# Altium PCB AD-FMComms3_revA.PcbDoc (part 5 of 6)
Units mil, origin at the board's own origin, x right, y up, seen from the top; angles counter-clockwise.
Board outline 3311.81 x 2716.54 mil, 10 copper layers (TOP, L2_GND, L3_PWR, L4_GND, L5_SIG, L6_SIG, L7_GND, L8_PWR, L9_GND, BOTTOM), stack 60.05 mil thick; 211 components, 138 nets, 808 pads, 812 vias.
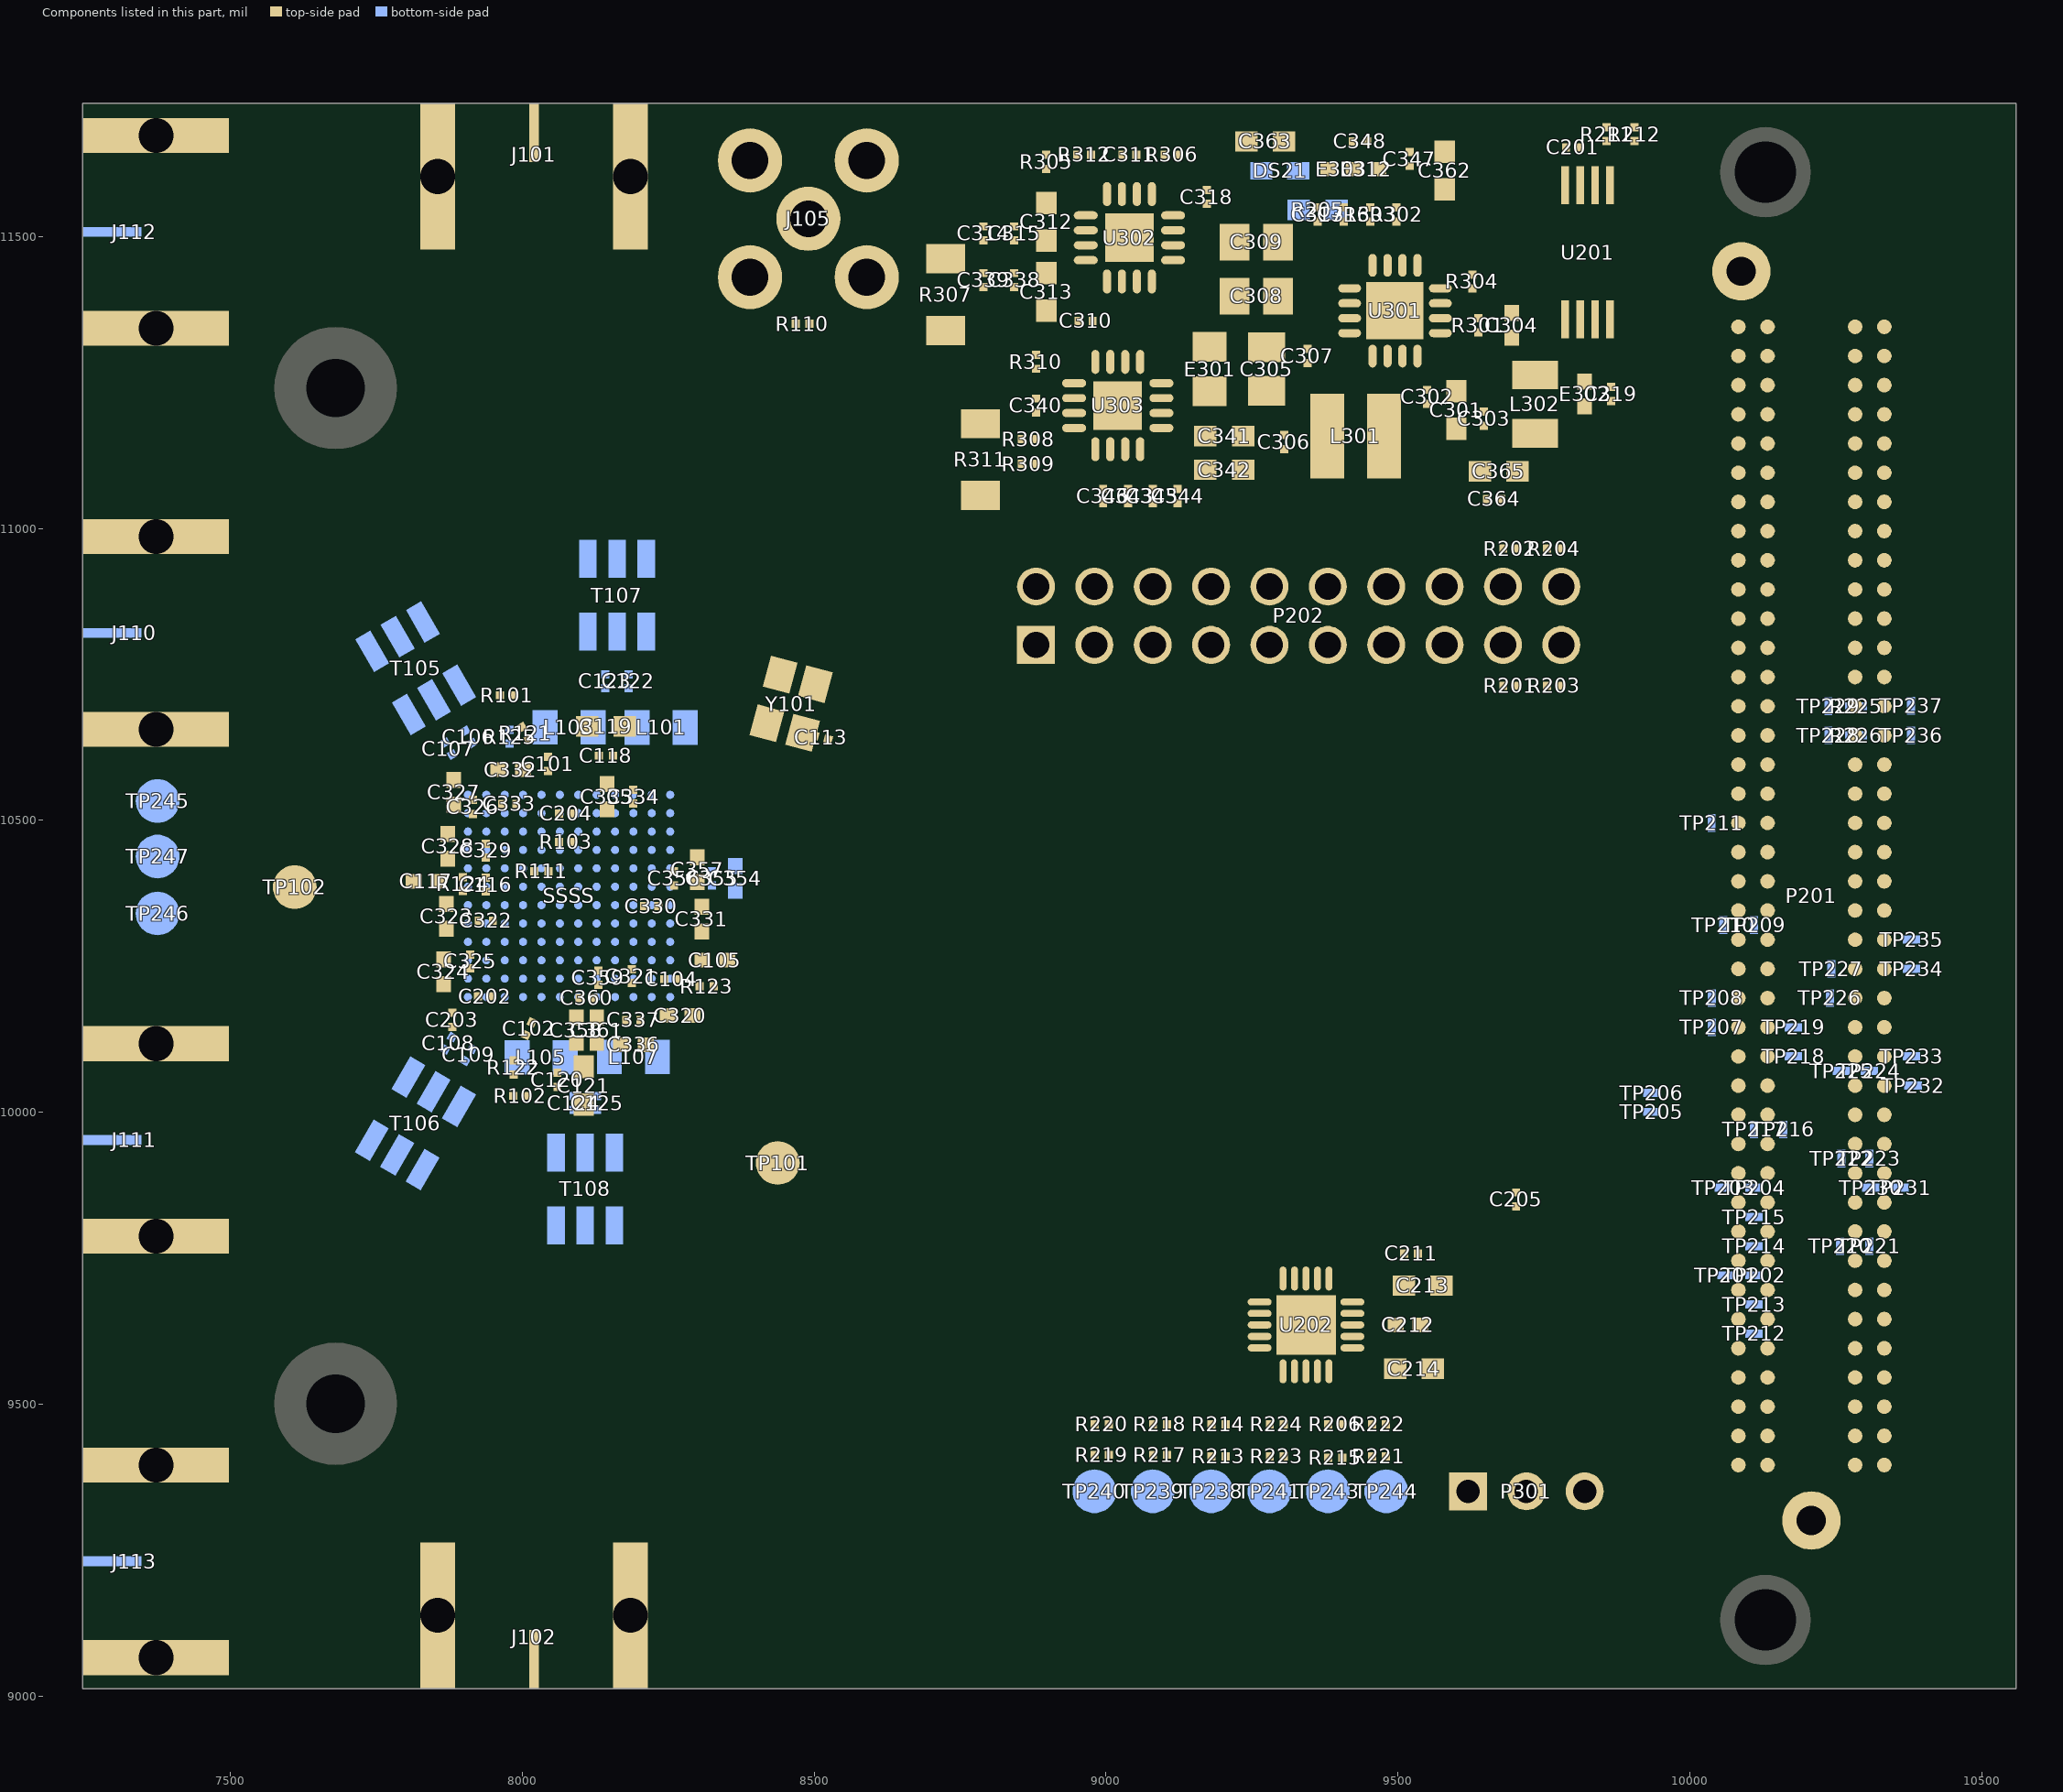
[diagram p13: the components of this part, seen from the top]

## Other copper (continued)
L6_SIG:
  pour cut-out: 9917.54,11161.72 9903.06,11161.72 9880.96,11183.81 9880.72,11184.07 9880.51,11184.34 9880.32,11184.64 9880.16,11184.95 9880.03,11185.27 9879.92,11185.6 9879.85,11185.94 9879.8,11186.29 9879.79,11186.64 9879.8,11186.99 9879.85,11187.33 9879.92,11187.67 9880.02,11188 9880.16,11188.33 9880.32,11188.64 9880.51,11188.93 9880.72,11189.21 9880.95,11189.47 9881.21,11189.7 9881.49,11189.91 9881.78,11190.1 9882.09,11190.26 9882.41,11190.4 9882.75,11190.5 9883.09,11190.58 9883.43,11190.62 9883.78,11190.64 9884.13,11190.63 9884.19,11190.62 9886.63,11190.48 9889.07,11190.56 9891.5,11190.84 9893.89,11191.34 9896.24,11192.05 9898.51,11192.95 9900.69,11194.05 9902.77,11195.34 9904.73,11196.8 9906.55,11198.43 9908.22,11200.21 9909.74,11202.13 9910.22,11202.82 9910.43,11203.1 9910.66,11203.36 9910.91,11203.6 9911.19,11203.82 9911.48,11204.01 9911.78,11204.18 9912.1,11204.32 9912.43,11204.43 9912.77,11204.51 9913.12,11204.56 9913.47,11204.58 9913.82,11204.58 9914.16,11204.54 9914.51,11204.47 9914.84,11204.37 9915.17,11204.24 9915.48,11204.08 9915.78,11203.9 9916.06,11203.69 9916.32,11203.46 9916.56,11203.21 9916.78,11202.94 9916.97,11202.64 9917.13,11202.34 9917.27,11202.02 9917.38,11201.69 9917.47,11201.35 9917.52,11201 9917.54,11200.65 9917.54,11200.59 9917.54,11161.72
  pour cut-out: 10158.63,11440.5 10157.28,11454.23 10153.27,11467.43 10146.77,11479.59 10138.02,11490.25 10127.36,11499 10115.2,11505.5 10102,11509.51 10088.27,11510.86 10074.54,11509.51 10061.34,11505.5 10053.24,11501.17 10049.18,11499 10038.52,11490.25 10029.77,11479.59 10023.27,11467.43 10019.26,11454.23 10017.91,11440.5 10019.26,11426.77 10023.27,11413.57 10029.77,11401.41 10038.52,11390.75 10049.18,11382 10053.24,11379.83 10061.34,11375.5 10074.54,11371.49 10088.27,11370.14 10102,11371.49 10115.2,11375.5 10127.36,11382 10138.02,11390.75 10146.77,11401.41 10153.27,11413.57 10157.28,11426.77 10158.63,11440.5
  pour cut-out: 9872.97,9350.5 9871.17,9364.21 9865.88,9376.99 9857.46,9387.96 9846.49,9396.38 9833.71,9401.67 9820,9403.47 9806.29,9401.67 9793.51,9396.38 9782.54,9387.96 9774.12,9376.99 9768.83,9364.21 9767.03,9350.5 9768.83,9336.79 9774.12,9324.01 9782.54,9313.04 9793.51,9304.62 9806.29,9299.33 9820,9297.53 9833.71,9299.33 9846.49,9304.62 9857.46,9313.04 9865.88,9324.01 9871.17,9336.79 9872.97,9350.5
  pour cut-out: 9672.97,9350.5 9671.17,9364.21 9665.88,9376.99 9657.46,9387.96 9646.49,9396.38 9633.71,9401.67 9620,9403.47 9606.29,9401.67 9593.51,9396.38 9582.54,9387.96 9574.12,9376.99 9568.83,9364.21 9567.03,9350.5 9568.83,9336.79 9574.12,9324.01 9582.54,9313.04 9593.51,9304.62 9606.29,9299.33 9620,9297.53 9633.71,9299.33 9646.49,9304.62 9657.46,9313.04 9665.88,9324.01 9671.17,9336.79 9672.97,9350.5
  pour cut-out: 9760.87,9350.5 9759.48,9361.08 9755.39,9370.93 9748.9,9379.4 9740.43,9385.89 9730.58,9389.98 9720,9391.37 9709.42,9389.98 9699.57,9385.89 9691.1,9379.4 9684.61,9370.93 9680.52,9361.08 9679.13,9350.5 9680.52,9339.92 9684.61,9330.07 9691.1,9321.6 9699.57,9315.11 9709.42,9311.02 9720,9309.63 9730.58,9311.02 9740.43,9315.11 9748.9,9321.6 9755.39,9330.07 9759.48,9339.92 9760.87,9350.5
  text "6" at 10502.03,11454.98 h31 r270
L7_GND:
  pour cut-out: 10146.57,11440.5 10145.45,11451.87 10142.13,11462.81 10136.75,11472.89 10129.49,11481.72 10120.66,11488.98 10110.58,11494.36 10099.64,11497.68 10088.27,11498.8 10076.9,11497.68 10065.96,11494.36 10059.24,11490.77 10055.88,11488.98 10047.05,11481.72 10039.79,11472.89 10034.41,11462.81 10031.09,11451.87 10029.97,11440.5 10031.09,11429.13 10034.41,11418.19 10039.79,11408.11 10047.05,11399.28 10055.88,11392.02 10059.24,11390.23 10065.96,11386.64 10076.9,11383.32 10088.27,11382.2 10099.64,11383.32 10110.58,11386.64 10120.66,11392.02 10129.49,11399.28 10136.75,11408.11 10142.13,11418.19 10145.45,11429.13 10146.57,11440.5
  pour cut-out: 10266.57,9300.5 10265.45,9311.87 10262.13,9322.81 10256.75,9332.89 10249.49,9341.72 10240.66,9348.98 10230.58,9354.36 10219.64,9357.68 10208.27,9358.8 10196.9,9357.68 10185.96,9354.36 10179.24,9350.77 10175.88,9348.98 10167.05,9341.72 10159.79,9332.89 10154.41,9322.81 10151.09,9311.87 10149.97,9300.5 10151.09,9289.13 10154.41,9278.19 10159.79,9268.11 10167.05,9259.28 10175.88,9252.02 10179.24,9250.23 10185.96,9246.64 10196.9,9243.32 10208.27,9242.2 10219.64,9243.32 10230.58,9246.64 10240.66,9252.02 10249.49,9259.28 10256.75,9268.11 10262.13,9278.19 10265.45,9289.13 10266.57,9300.5
  pour cut-out: 9860.87,9350.5 9859.48,9361.08 9855.39,9370.93 9848.9,9379.4 9840.43,9385.89 9830.58,9389.98 9820,9391.37 9809.42,9389.98 9799.57,9385.89 9791.1,9379.4 9784.61,9370.93 9780.52,9361.08 9779.13,9350.5 9780.52,9339.92 9784.61,9330.07 9791.1,9321.6 9799.57,9315.11 9809.42,9311.02 9820,9309.63 9830.58,9311.02 9840.43,9315.11 9848.9,9321.6 9855.39,9330.07 9859.48,9339.92 9860.87,9350.5
  pour cut-out: 9720.87,10900.5 9719.48,10911.08 9715.39,10920.93 9708.9,10929.4 9700.43,10935.89 9690.58,10939.98 9680,10941.37 9669.42,10939.98 9659.57,10935.89 9651.1,10929.4 9644.61,10920.93 9640.52,10911.08 9639.13,10900.5 9640.52,10889.92 9644.61,10880.07 9651.1,10871.6 9659.57,10865.11 9669.42,10861.02 9680,10859.63 9690.58,10861.02 9700.43,10865.11 9708.9,10871.6 9715.39,10880.07 9719.48,10889.92 9720.87,10900.5
  pour cut-out: 9820.87,10900.5 9819.48,10911.08 9815.39,10920.93 9808.9,10929.4 9800.43,10935.89 9790.58,10939.98 9780,10941.37 9769.42,10939.98 9759.57,10935.89 9751.1,10929.4 9744.61,10920.93 9740.52,10911.08 9739.13,10900.5 9740.52,10889.92 9744.61,10880.07 9751.1,10871.6 9759.57,10865.11 9769.42,10861.02 9780,10859.63 9790.58,10861.02 9800.43,10865.11 9808.9,10871.6 9815.39,10880.07 9819.48,10889.92 9820.87,10900.5
  pour cut-out: 9720.87,10800.5 9719.48,10811.08 9715.39,10820.93 9708.9,10829.4 9700.43,10835.89 9690.58,10839.98 9680,10841.37 9669.42,10839.98 9659.57,10835.89 9651.1,10829.4 9644.61,10820.93 9640.52,10811.08 9639.13,10800.5 9640.52,10789.92 9644.61,10780.07 9651.1,10771.6 9659.57,10765.11 9669.42,10761.02 9680,10759.63 9690.58,10761.02 9700.43,10765.11 9708.9,10771.6 9715.39,10780.07 9719.48,10789.92 9720.87,10800.5
  pour cut-out: 9820.87,10800.5 9819.48,10811.08 9815.39,10820.93 9808.9,10829.4 9800.43,10835.89 9790.58,10839.98 9780,10841.37 9769.42,10839.98 9759.57,10835.89 9751.1,10829.4 9744.61,10820.93 9740.52,10811.08 9739.13,10800.5 9740.52,10789.92 9744.61,10780.07 9751.1,10771.6 9759.57,10765.11 9769.42,10761.02 9780,10759.63 9790.58,10761.02 9800.43,10765.11 9808.9,10771.6 9815.39,10780.07 9819.48,10789.92 9820.87,10800.5
  pour cut-out: 9660.87,9350.5 9659.48,9361.08 9655.39,9370.93 9648.9,9379.4 9640.43,9385.89 9630.58,9389.98 9620,9391.37 9609.42,9389.98 9599.57,9385.89 9591.1,9379.4 9584.61,9370.93 9580.52,9361.08 9579.13,9350.5 9580.52,9339.92 9584.61,9330.07 9591.1,9321.6 9599.57,9315.11 9609.42,9311.02 9620,9309.63 9630.58,9311.02 9640.43,9315.11 9648.9,9321.6 9655.39,9330.07 9659.48,9339.92 9660.87,9350.5
  pour cut-out: 9760.87,9350.5 9759.48,9361.08 9755.39,9370.93 9748.9,9379.4 9740.43,9385.89 9730.58,9389.98 9720,9391.37 9709.42,9389.98 9699.57,9385.89 9691.1,9379.4 9684.61,9370.93 9680.52,9361.08 9679.13,9350.5 9680.52,9339.92 9684.61,9330.07 9691.1,9321.6 9699.57,9315.11 9709.42,9311.02 9720,9309.63 9730.58,9311.02 9740.43,9315.11 9748.9,9321.6 9755.39,9330.07 9759.48,9339.92 9760.87,9350.5
  pour cut-out: 9420.87,10900.5 9419.48,10911.08 9415.39,10920.93 9408.9,10929.4 9400.43,10935.89 9390.58,10939.98 9380,10941.37 9369.42,10939.98 9359.57,10935.89 9351.1,10929.4 9344.61,10920.93 9340.52,10911.08 9339.13,10900.5 9340.52,10889.92 9344.61,10880.07 9351.1,10871.6 9359.57,10865.11 9369.42,10861.02 9380,10859.63 9390.58,10861.02 9400.43,10865.11 9408.9,10871.6 9415.39,10880.07 9419.48,10889.92 9420.87,10900.5
  pour cut-out: 9520.87,10900.5 9519.48,10911.08 9515.39,10920.93 9508.9,10929.4 9500.43,10935.89 9490.58,10939.98 9480,10941.37 9469.42,10939.98 9459.57,10935.89 9451.1,10929.4 9444.61,10920.93 9440.52,10911.08 9439.13,10900.5 9440.52,10889.92 9444.61,10880.07 9451.1,10871.6 9459.57,10865.11 9469.42,10861.02 9480,10859.63 9490.58,10861.02 9500.43,10865.11 9508.9,10871.6 9515.39,10880.07 9519.48,10889.92 9520.87,10900.5
  pour cut-out: 9620.87,10900.5 9619.48,10911.08 9615.39,10920.93 9608.9,10929.4 9600.43,10935.89 9590.58,10939.98 9580,10941.37 9569.42,10939.98 9559.57,10935.89 9551.1,10929.4 9544.61,10920.93 9540.52,10911.08 9539.13,10900.5 9540.52,10889.92 9544.61,10880.07 9551.1,10871.6 9559.57,10865.11 9569.42,10861.02 9580,10859.63 9590.58,10861.02 9600.43,10865.11 9608.9,10871.6 9615.39,10880.07 9619.48,10889.92 9620.87,10900.5
  pour cut-out: 9420.87,10800.5 9419.48,10811.08 9415.39,10820.93 9408.9,10829.4 9400.43,10835.89 9390.58,10839.98 9380,10841.37 9369.42,10839.98 9359.57,10835.89 9351.1,10829.4 9344.61,10820.93 9340.52,10811.08 9339.13,10800.5 9340.52,10789.92 9344.61,10780.07 9351.1,10771.6 9359.57,10765.11 9369.42,10761.02 9380,10759.63 9390.58,10761.02 9400.43,10765.11 9408.9,10771.6 9415.39,10780.07 9419.48,10789.92 9420.87,10800.5
  pour cut-out: 9520.87,10800.5 9519.48,10811.08 9515.39,10820.93 9508.9,10829.4 9500.43,10835.89 9490.58,10839.98 9480,10841.37 9469.42,10839.98 9459.57,10835.89 9451.1,10829.4 9444.61,10820.93 9440.52,10811.08 9439.13,10800.5 9440.52,10789.92 9444.61,10780.07 9451.1,10771.6 9459.57,10765.11 9469.42,10761.02 9480,10759.63 9490.58,10761.02 9500.43,10765.11 9508.9,10771.6 9515.39,10780.07 9519.48,10789.92 9520.87,10800.5
  pour cut-out: 9620.87,10800.5 9619.48,10811.08 9615.39,10820.93 9608.9,10829.4 9600.43,10835.89 9590.58,10839.98 9580,10841.37 9569.42,10839.98 9559.57,10835.89 9551.1,10829.4 9544.61,10820.93 9540.52,10811.08 9539.13,10800.5 9540.52,10789.92 9544.61,10780.07 9551.1,10771.6 9559.57,10765.11 9569.42,10761.02 9580,10759.63 9590.58,10761.02 9600.43,10765.11 9608.9,10771.6 9615.39,10780.07 9619.48,10789.92 9620.87,10800.5
  pour cut-out: 9220.87,10900.5 9219.48,10911.08 9215.39,10920.93 9208.9,10929.4 9200.43,10935.89 9190.58,10939.98 9180,10941.37 9169.42,10939.98 9159.57,10935.89 9151.1,10929.4 9144.61,10920.93 9140.52,10911.08 9139.13,10900.5 9140.52,10889.92 9144.61,10880.07 9151.1,10871.6 9159.57,10865.11 9169.42,10861.02 9180,10859.63 9190.58,10861.02 9200.43,10865.11 9208.9,10871.6 9215.39,10880.07 9219.48,10889.92 9220.87,10900.5
  pour cut-out: 9320.87,10900.5 9319.48,10911.08 9315.39,10920.93 9308.9,10929.4 9300.43,10935.89 9290.58,10939.98 9280,10941.37 9269.42,10939.98 9259.57,10935.89 9251.1,10929.4 9244.61,10920.93 9240.52,10911.08 9239.13,10900.5 9240.52,10889.92 9244.61,10880.07 9251.1,10871.6 9259.57,10865.11 9269.42,10861.02 9280,10859.63 9290.58,10861.02 9300.43,10865.11 9308.9,10871.6 9315.39,10880.07 9319.48,10889.92 9320.87,10900.5
  pour cut-out: 9220.87,10800.5 9219.48,10811.08 9215.39,10820.93 9208.9,10829.4 9200.43,10835.89 9190.58,10839.98 9180,10841.37 9169.42,10839.98 9159.57,10835.89 9151.1,10829.4 9144.61,10820.93 9140.52,10811.08 9139.13,10800.5 9140.52,10789.92 9144.61,10780.07 9151.1,10771.6 9159.57,10765.11 9169.42,10761.02 9180,10759.63 9190.58,10761.02 9200.43,10765.11 9208.9,10771.6 9215.39,10780.07 9219.48,10789.92 9220.87,10800.5
  pour cut-out: 9320.87,10800.5 9319.48,10811.08 9315.39,10820.93 9308.9,10829.4 9300.43,10835.89 9290.58,10839.98 9280,10841.37 9269.42,10839.98 9259.57,10835.89 9251.1,10829.4 9244.61,10820.93 9240.52,10811.08 9239.13,10800.5 9240.52,10789.92 9244.61,10780.07 9251.1,10771.6 9259.57,10765.11 9269.42,10761.02 9280,10759.63 9290.58,10761.02 9300.43,10765.11 9308.9,10771.6 9315.39,10780.07 9319.48,10789.92 9320.87,10800.5
  pour cut-out: 9020.87,10900.5 9019.48,10911.08 9015.39,10920.93 9008.9,10929.4 9000.43,10935.89 8990.58,10939.98 8980,10941.37 8969.42,10939.98 8959.57,10935.89 8951.1,10929.4 8944.61,10920.93 8940.52,10911.08 8939.13,10900.5 8940.52,10889.92 8944.61,10880.07 8951.1,10871.6 8959.57,10865.11 8969.42,10861.02 8980,10859.63 8990.58,10861.02 9000.43,10865.11 9008.9,10871.6 9015.39,10880.07 9019.48,10889.92 9020.87,10900.5
  pour cut-out: 9120.87,10900.5 9119.48,10911.08 9115.39,10920.93 9108.9,10929.4 9100.43,10935.89 9090.58,10939.98 9080,10941.37 9069.42,10939.98 9059.57,10935.89 9051.1,10929.4 9044.61,10920.93 9040.52,10911.08 9039.13,10900.5 9040.52,10889.92 9044.61,10880.07 9051.1,10871.6 9059.57,10865.11 9069.42,10861.02 9080,10859.63 9090.58,10861.02 9100.43,10865.11 9108.9,10871.6 9115.39,10880.07 9119.48,10889.92 9120.87,10900.5
  pour cut-out: 9020.87,10800.5 9019.48,10811.08 9015.39,10820.93 9008.9,10829.4 9000.43,10835.89 8990.58,10839.98 8980,10841.37 8969.42,10839.98 8959.57,10835.89 8951.1,10829.4 8944.61,10820.93 8940.52,10811.08 8939.13,10800.5 8940.52,10789.92 8944.61,10780.07 8951.1,10771.6 8959.57,10765.11 8969.42,10761.02 8980,10759.63 8990.58,10761.02 9000.43,10765.11 9008.9,10771.6 9015.39,10780.07 9019.48,10789.92 9020.87,10800.5
  pour cut-out: 9120.87,10800.5 9119.48,10811.08 9115.39,10820.93 9108.9,10829.4 9100.43,10835.89 9090.58,10839.98 9080,10841.37 9069.42,10839.98 9059.57,10835.89 9051.1,10829.4 9044.61,10820.93 9040.52,10811.08 9039.13,10800.5 9040.52,10789.92 9044.61,10780.07 9051.1,10771.6 9059.57,10765.11 9069.42,10761.02 9080,10759.63 9090.58,10761.02 9100.43,10765.11 9108.9,10771.6 9115.39,10780.07 9119.48,10789.92 9120.87,10800.5
  pour cut-out: 8920.87,10900.5 8919.48,10911.08 8915.39,10920.93 8908.9,10929.4 8900.43,10935.89 8890.58,10939.98 8880,10941.37 8869.42,10939.98 8859.57,10935.89 8851.1,10929.4 8844.61,10920.93 8840.52,10911.08 8839.13,10900.5 8840.52,10889.92 8844.61,10880.07 8851.1,10871.6 8859.57,10865.11 8869.42,10861.02 8880,10859.63 8890.58,10861.02 8900.43,10865.11 8908.9,10871.6 8915.39,10880.07 8919.48,10889.92 8920.87,10900.5
  pour cut-out: 8920.87,10800.5 8919.48,10811.08 8915.39,10820.93 8908.9,10829.4 8900.43,10835.89 8890.58,10839.98 8880,10841.37 8869.42,10839.98 8859.57,10835.89 8851.1,10829.4 8844.61,10820.93 8840.52,10811.08 8839.13,10800.5 8840.52,10789.92 8844.61,10780.07 8851.1,10771.6 8859.57,10765.11 8869.42,10761.02 8880,10759.63 8890.58,10761.02 8900.43,10765.11 8908.9,10771.6 8915.39,10780.07 8919.48,10789.92 8920.87,10800.5
  text "7" at 10502.03,11404.98 h31 r270
L8_PWR:
  pour cut-out: 9720.87,10900.5 9719.48,10911.08 9715.39,10920.93 9708.9,10929.4 9700.43,10935.89 9690.58,10939.98 9680,10941.37 9669.42,10939.98 9659.57,10935.89 9651.1,10929.4 9644.61,10920.93 9640.52,10911.08 9639.13,10900.5 9640.52,10889.92 9644.61,10880.07 9651.1,10871.6 9659.57,10865.11 9669.42,10861.02 9680,10859.63 9690.58,10861.02 9700.43,10865.11 9708.9,10871.6 9715.39,10880.07 9719.48,10889.92 9720.87,10900.5
  pour cut-out: 9820.87,10900.5 9819.48,10911.08 9815.39,10920.93 9808.9,10929.4 9800.43,10935.89 9790.58,10939.98 9780,10941.37 9769.42,10939.98 9759.57,10935.89 9751.1,10929.4 9744.61,10920.93 9740.52,10911.08 9739.13,10900.5 9740.52,10889.92 9744.61,10880.07 9751.1,10871.6 9759.57,10865.11 9769.42,10861.02 9780,10859.63 9790.58,10861.02 9800.43,10865.11 9808.9,10871.6 9815.39,10880.07 9819.48,10889.92 9820.87,10900.5
  pour cut-out: 9420.87,10900.5 9419.48,10911.08 9415.39,10920.93 9408.9,10929.4 9400.43,10935.89 9390.58,10939.98 9380,10941.37 9369.42,10939.98 9359.57,10935.89 9351.1,10929.4 9344.61,10920.93 9340.52,10911.08 9339.13,10900.5 9340.52,10889.92 9344.61,10880.07 9351.1,10871.6 9359.57,10865.11 9369.42,10861.02 9380,10859.63 9390.58,10861.02 9400.43,10865.11 9408.9,10871.6 9415.39,10880.07 9419.48,10889.92 9420.87,10900.5
  pour cut-out: 9520.87,10900.5 9519.48,10911.08 9515.39,10920.93 9508.9,10929.4 9500.43,10935.89 9490.58,10939.98 9480,10941.37 9469.42,10939.98 9459.57,10935.89 9451.1,10929.4 9444.61,10920.93 9440.52,10911.08 9439.13,10900.5 9440.52,10889.92 9444.61,10880.07 9451.1,10871.6 9459.57,10865.11 9469.42,10861.02 9480,10859.63 9490.58,10861.02 9500.43,10865.11 9508.9,10871.6 9515.39,10880.07 9519.48,10889.92 9520.87,10900.5
  pour cut-out: 9620.87,10900.5 9619.48,10911.08 9615.39,10920.93 9608.9,10929.4 9600.43,10935.89 9590.58,10939.98 9580,10941.37 9569.42,10939.98 9559.57,10935.89 9551.1,10929.4 9544.61,10920.93 9540.52,10911.08 9539.13,10900.5 9540.52,10889.92 9544.61,10880.07 9551.1,10871.6 9559.57,10865.11 9569.42,10861.02 9580,10859.63 9590.58,10861.02 9600.43,10865.11 9608.9,10871.6 9615.39,10880.07 9619.48,10889.92 9620.87,10900.5
  pour cut-out: 9420.87,10800.5 9419.48,10811.08 9415.39,10820.93 9408.9,10829.4 9400.43,10835.89 9390.58,10839.98 9380,10841.37 9369.42,10839.98 9359.57,10835.89 9351.1,10829.4 9344.61,10820.93 9340.52,10811.08 9339.13,10800.5 9340.52,10789.92 9344.61,10780.07 9351.1,10771.6 9359.57,10765.11 9369.42,10761.02 9380,10759.63 9390.58,10761.02 9400.43,10765.11 9408.9,10771.6 9415.39,10780.07 9419.48,10789.92 9420.87,10800.5
  pour cut-out: 9520.87,10800.5 9519.48,10811.08 9515.39,10820.93 9508.9,10829.4 9500.43,10835.89 9490.58,10839.98 9480,10841.37 9469.42,10839.98 9459.57,10835.89 9451.1,10829.4 9444.61,10820.93 9440.52,10811.08 9439.13,10800.5 9440.52,10789.92 9444.61,10780.07 9451.1,10771.6 9459.57,10765.11 9469.42,10761.02 9480,10759.63 9490.58,10761.02 9500.43,10765.11 9508.9,10771.6 9515.39,10780.07 9519.48,10789.92 9520.87,10800.5
  pour cut-out: 9620.87,10800.5 9619.48,10811.08 9615.39,10820.93 9608.9,10829.4 9600.43,10835.89 9590.58,10839.98 9580,10841.37 9569.42,10839.98 9559.57,10835.89 9551.1,10829.4 9544.61,10820.93 9540.52,10811.08 9539.13,10800.5 9540.52,10789.92 9544.61,10780.07 9551.1,10771.6 9559.57,10765.11 9569.42,10761.02 9580,10759.63 9590.58,10761.02 9600.43,10765.11 9608.9,10771.6 9615.39,10780.07 9619.48,10789.92 9620.87,10800.5
  pour cut-out: 9220.87,10900.5 9219.48,10911.08 9215.39,10920.93 9208.9,10929.4 9200.43,10935.89 9190.58,10939.98 9180,10941.37 9169.42,10939.98 9159.57,10935.89 9151.1,10929.4 9144.61,10920.93 9140.52,10911.08 9139.13,10900.5 9140.52,10889.92 9144.61,10880.07 9151.1,10871.6 9159.57,10865.11 9169.42,10861.02 9180,10859.63 9190.58,10861.02 9200.43,10865.11 9208.9,10871.6 9215.39,10880.07 9219.48,10889.92 9220.87,10900.5
  pour cut-out: 9320.87,10900.5 9319.48,10911.08 9315.39,10920.93 9308.9,10929.4 9300.43,10935.89 9290.58,10939.98 9280,10941.37 9269.42,10939.98 9259.57,10935.89 9251.1,10929.4 9244.61,10920.93 9240.52,10911.08 9239.13,10900.5 9240.52,10889.92 9244.61,10880.07 9251.1,10871.6 9259.57,10865.11 9269.42,10861.02 9280,10859.63 9290.58,10861.02 9300.43,10865.11 9308.9,10871.6 9315.39,10880.07 9319.48,10889.92 9320.87,10900.5
  pour cut-out: 9220.87,10800.5 9219.48,10811.08 9215.39,10820.93 9208.9,10829.4 9200.43,10835.89 9190.58,10839.98 9180,10841.37 9169.42,10839.98 9159.57,10835.89 9151.1,10829.4 9144.61,10820.93 9140.52,10811.08 9139.13,10800.5 9140.52,10789.92 9144.61,10780.07 9151.1,10771.6 9159.57,10765.11 9169.42,10761.02 9180,10759.63 9190.58,10761.02 9200.43,10765.11 9208.9,10771.6 9215.39,10780.07 9219.48,10789.92 9220.87,10800.5
  pour cut-out: 9320.87,10800.5 9319.48,10811.08 9315.39,10820.93 9308.9,10829.4 9300.43,10835.89 9290.58,10839.98 9280,10841.37 9269.42,10839.98 9259.57,10835.89 9251.1,10829.4 9244.61,10820.93 9240.52,10811.08 9239.13,10800.5 9240.52,10789.92 9244.61,10780.07 9251.1,10771.6 9259.57,10765.11 9269.42,10761.02 9280,10759.63 9290.58,10761.02 9300.43,10765.11 9308.9,10771.6 9315.39,10780.07 9319.48,10789.92 9320.87,10800.5
  pour cut-out: 9020.87,10900.5 9019.48,10911.08 9015.39,10920.93 9008.9,10929.4 9000.43,10935.89 8990.58,10939.98 8980,10941.37 8969.42,10939.98 8959.57,10935.89 8951.1,10929.4 8944.61,10920.93 8940.52,10911.08 8939.13,10900.5 8940.52,10889.92 8944.61,10880.07 8951.1,10871.6 8959.57,10865.11 8969.42,10861.02 8980,10859.63 8990.58,10861.02 9000.43,10865.11 9008.9,10871.6 9015.39,10880.07 9019.48,10889.92 9020.87,10900.5

## Text inside footprints (layer, text, board x,y; h text height)
P201: PIN_NUMBER "C2" at 10329.93,9453.84 h25 r180; PIN_NUMBER "C22" at 10319.93,10453.84 h25 r180; PIN_NUMBER "C23" at 10319.93,10503.84 h25 r180; PIN_NUMBER "C3" at 10329.93,9503.84 h25 r180; PIN_NUMBER "C6" at 10329.93,9653.84 h25 r180; PIN_NUMBER "C7" at 10329.93,9703.84 h25 r180; PIN_NUMBER "D20" at 10244.93,10353.84 h25 r180; PIN_NUMBER "D21" at 10244.93,10403.84 h25 r180; PIN_NUMBER "D29" at 10244.93,10803.84 h25 r180; PIN_NUMBER "D33" at 10244.93,11003.84 h25 r180; PIN_NUMBER "D34" at 10244.93,11053.84 h25 r180; PIN_NUMBER "D4" at 10254.93,9553.84 h25 r180; PIN_NUMBER "D5" at 10254.93,9603.84 h25 r180; PIN_NUMBER "G2" at 10104.94,9453.83 h25 r180; PIN_NUMBER "G3" at 10104.94,9503.83 h25 r180; PIN_NUMBER "G30" at 10094.94,10853.83 h25 r180; PIN_NUMBER "G31" at 10094.94,10903.83 h25 r180; PIN_NUMBER "G33" at 10094.94,11003.83 h25 r180; PIN_NUMBER "G34" at 10094.94,11053.83 h25 r180; PIN_NUMBER "G36" at 10094.94,11153.83 h25 r180; PIN_NUMBER "G37" at 10094.94,11203.83 h25 r180; PIN_NUMBER "H1" at 10029.94,9403.83 h25 r180; PIN_NUMBER "H32" at 10019.94,10953.83 h25 r180; PIN_NUMBER "H34" at 10019.94,11053.83 h25 r180; PIN_NUMBER "H35" at 10019.94,11103.83 h25 r180; PIN_NUMBER "H37" at 10019.94,11203.83 h25 r180; PIN_NUMBER "H38" at 10019.94,11253.83 h25 r180; PIN_NUMBER "H5" at 10029.94,9603.83 h25 r180; PIN_NUMBER "G18" at 10094.94,10253.83 h25 r180; PIN_NUMBER "H22" at 10019.94,10453.83 h25 r180; PIN_NUMBER "H2" at 10029.94,9453.83 h25 r180; PIN_NUMBER "H3" at 10029.94,9503.83 h25 r180; PIN_NUMBER "H6" at 10029.94,9653.83 h25 r180; PIN_NUMBER "H9" at 10029.94,9803.83 h25 r180; PIN_NUMBER "H12" at 10019.94,9953.83 h25 r180; PIN_NUMBER "H15" at 10019.94,10103.83 h25 r180; PIN_NUMBER "H18" at 10019.94,10253.83 h25 r180; PIN_NUMBER "H21" at 10019.94,10403.83 h25 r180; PIN_NUMBER "H24" at 10019.94,10553.83 h25 r180; PIN_NUMBER "H27" at 10019.94,10703.83 h25 r180; PIN_NUMBER "H30" at 10019.94,10853.83 h25 r180; PIN_NUMBER "H33" at 10019.94,11003.83 h25 r180; PIN_NUMBER "H36" at 10019.94,11153.83 h25 r180; PIN_NUMBER "H39" at 10019.94,11303.83 h25 r180; PIN_NUMBER "C1" at 10329.93,9403.84 h25 r180; PIN_NUMBER "C4" at 10329.93,9553.84 h25 r180; PIN_NUMBER "C5" at 10329.93,9603.84 h25 r180; PIN_NUMBER "C8" at 10329.93,9753.84 h25 r180; PIN_NUMBER "C9" at 10329.93,9803.84 h25 r180; PIN_NUMBER "C12" at 10319.93,9953.84 h25 r180; PIN_NUMBER "C13" at 10319.93,10003.84 h25 r180; PIN_NUMBER "C16" at 10319.93,10153.84 h25 r180; PIN_NUMBER "C17" at 10319.93,10203.84 h25 r180; PIN_NUMBER "C20" at 10319.93,10353.84 h25 r180; PIN_NUMBER "C21" at 10319.93,10403.84 h25 r180; PIN_NUMBER "C24" at 10319.93,10553.84 h25 r180; PIN_NUMBER "C25" at 10319.93,10603.84 h25 r180; PIN_NUMBER "C28" at 10319.93,10753.84 h25 r180; PIN_NUMBER "C29" at 10319.93,10803.84 h25 r180; PIN_NUMBER "C32" at 10319.93,10953.84 h25 r180; PIN_NUMBER "C33" at 10319.93,11003.84 h25 r180; PIN_NUMBER "C36" at 10319.93,11153.84 h25 r180; PIN_NUMBER "C38" at 10319.93,11253.84 h25 r180; PIN_NUMBER "C40" at 10319.93,11353.84 h25 r180; PIN_NUMBER "D2" at 10254.93,9453.84 h25 r180; PIN_NUMBER "D3" at 10254.93,9503.84 h25 r180; PIN_NUMBER "D6" at 10254.93,9653.84 h25 r180; PIN_NUMBER "D7" at 10254.93,9703.84 h25 r180; PIN_NUMBER "D10" at 10244.93,9853.84 h25 r180; PIN_NUMBER "D13" at 10244.93,10003.84 h25 r180; PIN_NUMBER "D16" at 10244.93,10153.84 h25 r180; PIN_NUMBER "D19" at 10244.93,10303.84 h25 r180; PIN_NUMBER "D22" at 10244.93,10453.84 h25 r180; PIN_NUMBER "D25" at 10244.93,10603.84 h25 r180; PIN_NUMBER "D28" at 10244.93,10753.84 h25 r180; PIN_NUMBER "D37" at 10244.93,11203.84 h25 r180; PIN_NUMBER "D39" at 10244.93,11303.84 h25 r180; PIN_NUMBER "G1" at 10104.94,9403.83 h25 r180; PIN_NUMBER "G4" at 10104.94,9553.83 h25 r180; PIN_NUMBER "G5" at 10104.94,9603.83 h25 r180; PIN_NUMBER "G8" at 10104.94,9753.83 h25 r180; PIN_NUMBER "G11" at 10094.94,9903.83 h25 r180; PIN_NUMBER "G14" at 10094.94,10053.83 h25 r180; PIN_NUMBER "G17" at 10094.94,10203.83 h25 r180; PIN_NUMBER "G20" at 10094.94,10353.83 h25 r180; PIN_NUMBER "G23" at 10094.94,10503.83 h25 r180; PIN_NUMBER "G26" at 10094.94,10653.83 h25 r180; PIN_NUMBER "G29" at 10094.94,10803.83 h25 r180; PIN_NUMBER "G32" at 10094.94,10953.83 h25 r180; PIN_NUMBER "G35" at 10094.94,11103.83 h25 r180; PIN_NUMBER "G38" at 10094.94,11253.83 h25 r180; PIN_NUMBER "G40" at 10094.94,11353.83 h25 r180; PIN_NUMBER "C26" at 10319.93,10653.84 h25 r180; PIN_NUMBER "C27" at 10319.93,10703.84 h25 r180; PIN_NUMBER "D26" at 10244.93,10653.84 h25 r180; PIN_NUMBER "G19" at 10094.94,10303.83 h25 r180; PIN_NUMBER "H23" at 10019.94,10503.83 h25 r180; PIN_NUMBER "H4" at 10029.94,9553.83 h25 r180; PIN_NUMBER "H28" at 10019.94,10753.83 h25 r180; PIN_NUMBER "H29" at 10019.94,10803.83 h25 r180; PIN_NUMBER "G27" at 10094.94,10703.83 h25 r180; PIN_NUMBER "G28" at 10094.94,10753.83 h25 r180; PIN_NUMBER "G21" at 10094.94,10403.83 h25 r180; PIN_NUMBER "G22" at 10094.94,10453.83 h25 r180; PIN_NUMBER "H25" at 10019.94,10603.83 h25 r180; PIN_NUMBER "H26" at 10019.94,10653.83 h25 r180; PIN_NUMBER "G24" at 10094.94,10553.83 h25 r180; PIN_NUMBER "G25" at 10094.94,10603.83 h25 r180; PIN_NUMBER "D23" at 10244.93,10503.84 h25 r180; PIN_NUMBER "D24" at 10244.93,10553.84 h25 r180; PIN_NUMBER "G6" at 10104.94,9653.83 h25 r180; PIN_NUMBER "G12" at 10094.94,9953.83 h25 r180; PIN_NUMBER "D8" at 10254.93,9753.84 h25 r180; PIN_NUMBER "D14" at 10244.93,10053.84 h25 r180; PIN_NUMBER "C35" at 10319.93,11103.84 h25 r180; PIN_NUMBER "C37" at 10319.93,11203.84 h25 r180; PIN_NUMBER "H40" at 10019.94,11353.83 h25 r180; PIN_NUMBER "G39" at 10094.94,11303.83 h25 r180; PIN_NUMBER "D32" at 10244.93,10953.84 h25 r180; PIN_NUMBER "C39" at 10319.93,11303.84 h25 r180; PIN_NUMBER "D36" at 10244.93,11153.84 h25 r180; PIN_NUMBER "D38" at 10244.93,11253.84 h25 r180; PIN_NUMBER "D40" at 10244.93,11353.84 h25 r180; PIN_NUMBER "G7" at 10104.94,9703.83 h25 r180; PIN_NUMBER "G13" at 10094.94,10003.83 h25 r180; PIN_NUMBER "C34" at 10319.93,11053.84 h25 r180; PIN_NUMBER "D35" at 10244.93,11103.84 h25 r180; PIN_NUMBER "D1" at 10254.93,9403.84 h25 r180; PIN_NUMBER "H8" at 10029.94,9753.83 h25 r180; PIN_NUMBER "H7" at 10029.94,9703.83 h25 r180; PIN_NUMBER "G10" at 10094.94,9853.83 h25 r180; PIN_NUMBER "G9" at 10104.94,9803.83 h25 r180; PIN_NUMBER "H11" at 10019.94,9903.83 h25 r180; PIN_NUMBER "H10" at 10019.94,9853.83 h25 r180; PIN_NUMBER "D12" at 10244.93,9953.84 h25 r180; PIN_NUMBER "D11" at 10244.93,9903.84 h25 r180; PIN_NUMBER "C11" at 10319.93,9903.84 h25 r180; PIN_NUMBER "C10" at 10319.93,9853.84 h25 r180; PIN_NUMBER "H14" at 10019.94,10053.83 h25 r180; PIN_NUMBER "H13" at 10019.94,10003.83 h25 r180; PIN_NUMBER "D9" at 10254.93,9803.84 h25 r180; PIN_NUMBER "C30" at 10319.93,10853.84 h25 r180; PIN_NUMBER "C31" at 10319.93,10903.84 h25 r180; PIN_NUMBER "H17" at 10019.94,10203.83 h25 r180; PIN_NUMBER "H16" at 10019.94,10153.83 h25 r180; PIN_NUMBER "G16" at 10094.94,10153.83 h25 r180; PIN_NUMBER "G15" at 10094.94,10103.83 h25 r180; PIN_NUMBER "D18" at 10244.93,10253.84 h25 r180; PIN_NUMBER "D17" at 10244.93,10203.84 h25 r180; PIN_NUMBER "C15" at 10319.93,10103.84 h25 r180; PIN_NUMBER "C14" at 10319.93,10053.84 h25 r180; PIN_NUMBER "C19" at 10319.93,10303.84 h25 r180; PIN_NUMBER "C18" at 10319.93,10253.84 h25 r180; PIN_NUMBER "H20" at 10019.94,10353.83 h25 r180; PIN_NUMBER "H19" at 10019.94,10303.83 h25 r180; PIN_NUMBER "D15" at 10244.93,10103.84 h25 r180; PIN_NUMBER "D30" at 10244.93,10853.84 h25 r180; PIN_NUMBER "D31" at 10244.93,10903.84 h25 r180; PIN_NUMBER "H31" at 10019.94,10903.83 h25 r180; PIN_NUMBER "D27" at 10244.93,10703.84 h25 r180; PAD_STACK_NAME "NP50" at 10728.27,10395.5 h50 r90; PAD_STACK_NAME "C25" at 10667.9,10378.4 h50 r90; PAD_STACK_NAME "CNSAMTECASP-134604-01" at 9318.94,10377.5 h50 r90; Top Overlay "G1" at 10105.74,9213.3 h50 r90; Top Overlay "D1" at 10272.74,9209.3 h50 r90; Top Overlay "D40" at 10245.24,11565.3 h50 r90; Top Overlay "G40" at 10118.24,11560.3 h50 r90; Top Overlay "C40" at 10516.04,11367.8 h31 r90; Top Overlay "C30" at 10515.04,10846.8 h31 r90; Top Overlay "H30" at 9815,10843 h50 r90; Top Overlay "H20" at 9816.74,10355.6 h50 r90; Top Overlay "C20" at 10511.04,10344.8 h31 r90; Top Overlay "C10" at 10513.04,9862.8 h31 r90; Top Overlay "H10" at 9815.74,9874.6 h50 r90; Top Overlay "C1" at 10531.44,9384.8 h31 r90; Top Overlay "H1" at 9847.5,9415.5 h50 r90; DISPLAY_TOP "14JUN11" at 10124.07,11869.39 h31 r180; DISPLAY_TOP "QA/GMC" at 10128.37,11820.84 h31 r180; DISPLAY_TOP "26SEP09" at 10124.07,11744.39 h31 r180; DISPLAY_TOP "QA/JMTG" at 10115.97,11695.84 h31 r180; DISPLAY_TOP "ADI/GMC" at 10117.07,9076.03 h31 r180; DISPLAY_TOP "25SEP09" at 10120.87,9126.42 h31 r180; ASSEMBLY_TOP "G1" at 10108.24,9215.8 h50 r90; ASSEMBLY_TOP "D1" at 10275.24,9211.8 h50 r90; ASSEMBLY_TOP "D40" at 10245.24,11567.8 h50 r90; ASSEMBLY_TOP "G40" at 10118.24,11562.8 h50 r90; ASSEMBLY_TOP "C40" at 10548.24,11367.8 h50 r90; ASSEMBLY_TOP "C30" at 10547.24,10846.8 h50 r90; ASSEMBLY_TOP "H30" at 9802.74,10834.1 h50 r90; ASSEMBLY_TOP "H20" at 9806.74,10333.1 h50 r90; ASSEMBLY_TOP "C20" at 10543.24,10344.8 h50 r90; ASSEMBLY_TOP "C10" at 10545.24,9862.8 h50 r90; ASSEMBLY_TOP "H10" at 9805.74,9852.1 h50 r90; ASSEMBLY_TOP "C1" at 10571.24,9384.8 h50 r90; ASSEMBLY_TOP "H1" at 9826.84,9391.9 h50 r90; ASSEMBLY_TOP "UPN" at 10178.27,10520.5 h25 r180; ASSEMBLY_TOP "ASP-134604-01" at 10078.27,10320.5 h25 r180
P202: PIN_NUMBER "1" at 8870,10800.5 h25 r180; PIN_NUMBER "3" at 8970,10800.5 h25 r180; PIN_NUMBER "2" at 8870,10900.5 h25 r180; PIN_NUMBER "20" at 9760,10900.5 h25 r180; PIN_NUMBER "19" at 9760,10800.5 h25 r180; PIN_NUMBER "18" at 9660,10900.5 h25 r180; PIN_NUMBER "17" at 9660,10800.5 h25 r180; PIN_NUMBER "11" at 9360,10800.5 h25 r180; PIN_NUMBER "10" at 9260,10900.5 h25 r180; PIN_NUMBER "9" at 9270,10800.5 h25 r180; PIN_NUMBER "8" at 9170,10900.5 h25 r180; PIN_NUMBER "7" at 9170,10800.5 h25 r180; PIN_NUMBER "6" at 9070,10900.5 h25 r180; PIN_NUMBER "5" at 9070,10800.5 h25 r180; PIN_NUMBER "4" at 8970,10900.5 h25 r180; PIN_NUMBER "12" at 9360,10900.5 h25 r180; PIN_NUMBER "13" at 9460,10800.5 h25 r180; PIN_NUMBER "14" at 9460,10900.5 h25 r180; PIN_NUMBER "15" at 9560,10800.5 h25 r180; PIN_NUMBER "16" at 9560,10900.5 h25 r180; ASSEMBLY_BOTTOM "UPN" at 9712.5,10850.5 h25 r90; ASSEMBLY_BOTTOM "SSW-110-02-G-D" at 8802.5,10850.5 h25 r90; PAD_STACK_NAME "C65D45" at 9210,11088 h50 r180; PAD_STACK_NAME "S65D45" at 9210,11013 h50 r180; PAD_STACK_NAME "CNBERGF2X10H335LD32" at 8950,10675.5 h50 r180; Bottom Overlay "2" at 8787.6,10919.82 h31; Bottom Overlay "20" at 9845.2,10889.82 h31; Bottom Overlay "19" at 9845.2,10799.82 h31; Top Overlay "10" at 9252.7,10945.5 h31; Top Overlay "5" at 9067.6,10729.82 h31; Top Overlay "2" at 8797.6,10899.82 h31; Top Overlay "20" at 9812.7,10938 h31; Top Overlay "19" at 9815.2,10750.5 h31 r180; DISPLAY_BOTTOM "ADI/PMA" at 9793.2,10850.5 h31 r90; DISPLAY_BOTTOM "09APR99" at 9843.2,10850.5 h31 r90; DISPLAY_BOTTOM "CEXI/BTC" at 8630.8,10850.5 h31 r90; DISPLAY_BOTTOM "09APR99" at 8693.2,10850.5 h31 r90
P301: PIN_NUMBER "2" at 9710,9350.5 h25 r180; PIN_NUMBER "3" at 9810,9350.5 h25 r180; PIN_NUMBER "1" at 9610,9350.5 h25 r180; ASSEMBLY_BOTTOM "1" at 9600,9460.5 h50 r180; ASSEMBLY_BOTTOM "UPN" at 9950,9350.5 h25 r90; ASSEMBLY_BOTTOM "SAMTECTSW10608GS3PIN" at 9470,9350.5 h25 r90; PAD_STACK_NAME "S65D40" at 9655,9495.5 h50 r180; PAD_STACK_NAME "C65D40" at 9655,9570.5 h50 r180; PAD_STACK_NAME "CNBERG1X3H205LD36" at 9425,9225.5 h50 r180; Bottom Overlay "1" at 9545.8,9401.3 h50; Top Overlay "1" at 9600.3,9395.8 h50; DISPLAY_BOTTOM "04FEB02" at 10008.2,9355.5 h31 r90; DISPLAY_BOTTOM "QA/XXX" at 9970.6,9355.5 h31 r90; DISPLAY_BOTTOM "23FEB08" at 9438.2,9350.5 h31 r90; DISPLAY_BOTTOM "ADI/DML" at 9378.2,9350.5 h31 r90
R101: PIN_NUMBER "1" at 7951.75,10714.24 h25; PIN_NUMBER "2" at 7975.75,10714.26 h25; PAD_STACK_NAME "14X14" at 7881.35,10590.24 h50; PAD_STACK_NAME "R0201" at 7884.74,10811.25 h50; DISPLAY_TOP "QA/XXX" at 8044.36,10714.25 h31 r90; DISPLAY_TOP "26JAN09" at 7771.95,10714.25 h31 r90; DISPLAY_TOP "10XXX09" at 8071.94,10714.25 h31 r90; DISPLAY_TOP "ADI/DML" at 7726.95,10714.26 h31 r90; ASSEMBLY_TOP "UPN" at 8008.75,10714.25 h25 r90; ASSEMBLY_TOP "1" at 7998.75,10714.25 h25 r90; ASSEMBLY_TOP "49.9" at 7923.55,10714.26 h25 r90
R102: PIN_NUMBER "1" at 7998.25,10028 h25 r180; PIN_NUMBER "2" at 7974.25,10028 h25 r180; PAD_STACK_NAME "14X14" at 7888.65,10152 h50 r180; PAD_STACK_NAME "R0201" at 7885.25,9931 h50 r180; DISPLAY_TOP "QA/XXX" at 7776.85,10028 h31 r270; DISPLAY_TOP "26JAN09" at 8024.45,10028 h31 r270; DISPLAY_TOP "10XXX09" at 7724.45,10028 h31 r270; DISPLAY_TOP "ADI/DML" at 8069.45,10028 h31 r270; ASSEMBLY_TOP "UPN" at 7901.26,10028 h25 r270; ASSEMBLY_TOP "1" at 7951.25,10028 h25 r270; ASSEMBLY_TOP "49.9" at 7966.45,10028 h25 r270
R103: PIN_NUMBER "1" at 8077,10463 h25 r180; PIN_NUMBER "2" at 8053,10463 h25 r180; PAD_STACK_NAME "14X14" at 7967.4,10587 h50 r180; PAD_STACK_NAME "R0201" at 7964,10366 h50 r180; DISPLAY_TOP "QA/XXX" at 7855.6,10463 h31 r270; DISPLAY_TOP "26JAN09" at 8103.2,10463 h31 r270; DISPLAY_TOP "10XXX09" at 7803.2,10463 h31 r270; DISPLAY_TOP "ADI/DML" at 8148.2,10463 h31 r270; ASSEMBLY_TOP "UPN" at 7980,10463 h25 r270; ASSEMBLY_TOP "1" at 8030,10463 h25 r270; ASSEMBLY_TOP "10K" at 8055.2,10463 h25 r270
R110: PIN_NUMBER "1" at 8458,11350.5 h25; PIN_NUMBER "2" at 8482,11350.5 h25; PAD_STACK_NAME "14X14" at 8387.6,11226.5 h50; PAD_STACK_NAME "R0201" at 8391,11447.5 h50; DISPLAY_TOP "QA/XXX" at 8550.6,11350.5 h31 r90; DISPLAY_TOP "26JAN09" at 8278.2,11350.5 h31 r90; DISPLAY_TOP "10XXX09" at 8578.2,11350.5 h31 r90; DISPLAY_TOP "ADI/DML" at 8233.2,11350.5 h31 r90; ASSEMBLY_TOP "UPN" at 8515,11350.5 h25 r90; ASSEMBLY_TOP "1" at 8505,11350.5 h25 r90; ASSEMBLY_TOP "49.9" at 8429.8,11350.5 h25 r90
R111: PIN_NUMBER "1" at 8034.5,10413 h25 r180; PIN_NUMBER "2" at 8010.5,10413 h25 r180; PAD_STACK_NAME "14X14" at 7924.9,10537 h50 r180; PAD_STACK_NAME "R0201" at 7921.5,10316 h50 r180; DISPLAY_TOP "QA/XXX" at 7813.1,10413 h31 r270; DISPLAY_TOP "26JAN09" at 8060.7,10413 h31 r270; DISPLAY_TOP "10XXX09" at 7760.7,10413 h31 r270; DISPLAY_TOP "ADI/DML" at 8105.7,10413 h31 r270; ASSEMBLY_TOP "UPN" at 7937.5,10413 h25 r270; ASSEMBLY_TOP "1" at 7987.5,10413 h25 r270; ASSEMBLY_TOP "10K" at 8012.7,10413 h25 r270
R121: PIN_NUMBER "2" at 8001,10638.85 h25 r300; PIN_NUMBER "1" at 7989,10659.64 h25 r300; PAD_STACK_NAME "14X14" at 7801.41,10580.67 h50 r300; PAD_STACK_NAME "R0201" at 7994.51,10688.23 h50 r300; DISPLAY_TOP "QA/XXX" at 8003.09,10523.67 h31 r30; DISPLAY_TOP "26JAN09" at 7860.7,10748.84 h31 r30; DISPLAY_TOP "10XXX09" at 8010.7,10489.03 h31 r30; DISPLAY_TOP "ADI/DML" at 7838.2,10787.81 h31 r30; ASSEMBLY_TOP "UPN" at 8007.5,10592.95 h25 r30; ASSEMBLY_TOP "1" at 8012.5,10618.94 h25 r30; ASSEMBLY_TOP "10" at 7979.9,10658.08 h25 r30
R122: PIN_NUMBER "1" at 7975,10064.76 h25 r90; PIN_NUMBER "2" at 7975,10088.74 h25 r90; PAD_STACK_NAME "14X14" at 8009.01,10084.35 h50 r90; PAD_STACK_NAME "R0201" at 7788.01,10087.75 h50 r90; DISPLAY_TOP "QA/XXX" at 7910.59,10221.74 h31 r180; DISPLAY_TOP "26JAN09" at 7898.21,9961.75 h31 r180; DISPLAY_TOP "10XXX09" at 7898.2,10261.74 h31 r180; DISPLAY_TOP "ADI/DML" at 7898.21,9916.75 h31 r180; ASSEMBLY_TOP "UPN" at 7955,10141.75 h25 r180; ASSEMBLY_TOP "1" at 7975,10111.75 h25 r180; ASSEMBLY_TOP "10" at 7965.01,10066.55 h25 r180
R123: PIN_NUMBER "1" at 8293.75,10215.75 h25; PIN_NUMBER "2" at 8317.75,10215.75 h25; PAD_STACK_NAME "14X14" at 8223.35,10091.75 h50; PAD_STACK_NAME "R0201" at 8226.75,10312.75 h50; DISPLAY_TOP "QA/XXX" at 8386.35,10215.75 h31 r90; DISPLAY_TOP "26JAN09" at 8113.95,10215.75 h31 r90; DISPLAY_TOP "10XXX09" at 8413.95,10215.75 h31 r90; DISPLAY_TOP "ADI/DML" at 8068.95,10215.75 h31 r90; ASSEMBLY_TOP "UPN" at 8350.75,10215.75 h25 r90; ASSEMBLY_TOP "1" at 8340.75,10215.75 h25 r90; ASSEMBLY_TOP "1" at 8295.55,10215.75 h25 r90
R124: PIN_NUMBER "1" at 7888.25,10378.75 h25 r90; PIN_NUMBER "2" at 7888.25,10402.75 h25 r90; PAD_STACK_NAME "14X14" at 7922.25,10398.35 h50 r90; PAD_STACK_NAME "R0201" at 7701.25,10401.75 h50 r90; DISPLAY_TOP "QA/XXX" at 7823.85,10535.75 h31 r180; DISPLAY_TOP "26JAN09" at 7811.45,10275.75 h31 r180; DISPLAY_TOP "10XXX09" at 7811.45,10575.75 h31 r180; DISPLAY_TOP "ADI/DML" at 7811.45,10230.75 h31 r180; ASSEMBLY_TOP "UPN" at 7868.25,10455.75 h25 r180; ASSEMBLY_TOP "1" at 7888.25,10425.75 h25 r180; ASSEMBLY_TOP "1" at 7888.25,10380.55 h25 r180
R125: PIN_NUMBER "2" at 7968.25,10655.25 h25 r270; PIN_NUMBER "1" at 7968.25,10631.25 h25 r270; ASSEMBLY_BOTTOM "UPN" at 7948.25,10708.25 h25 r180; ASSEMBLY_BOTTOM "1" at 7968.25,10678.25 h25 r180; ASSEMBLY_BOTTOM "14.3K" at 7928.25,10633.05 h25 r180; PAD_STACK_NAME "14X14" at 7754.25,10650.85 h50 r270; PAD_STACK_NAME "R0201" at 7975.25,10654.25 h50 r270; DISPLAY_BOTTOM "QA/XXX" at 7903.85,10788.25 h31 r180; DISPLAY_BOTTOM "26JAN09" at 7891.45,10528.25 h31 r180; DISPLAY_BOTTOM "10XXX09" at 7891.45,10828.25 h31 r180; DISPLAY_BOTTOM "ADI/DML" at 7891.45,10483.25 h31 r180
R201: PIN_NUMBER "2" at 9694.5,10730.5 h25; PIN_NUMBER "1" at 9670.5,10730.5 h25; PAD_STACK_NAME "14X14" at 9600.1,10606.5 h50; PAD_STACK_NAME "R0201" at 9603.5,10827.5 h50; DISPLAY_TOP "QA/XXX" at 9763.1,10730.5 h31 r90; DISPLAY_TOP "26JAN09" at 9490.7,10730.5 h31 r90; DISPLAY_TOP "10XXX09" at 9790.7,10730.5 h31 r90; DISPLAY_TOP "ADI/DML" at 9445.7,10730.5 h31 r90; ASSEMBLY_TOP "UPN" at 9727.5,10730.5 h25 r90; ASSEMBLY_TOP "1" at 9717.5,10730.5 h25 r90; ASSEMBLY_TOP "10K" at 9652.3,10730.5 h25 r90
R202: PIN_NUMBER "2" at 9694.5,10965.5 h25; PIN_NUMBER "1" at 9670.5,10965.5 h25; PAD_STACK_NAME "14X14" at 9600.1,10841.5 h50; PAD_STACK_NAME "R0201" at 9603.5,11062.5 h50; DISPLAY_TOP "QA/XXX" at 9763.1,10965.5 h31 r90; DISPLAY_TOP "26JAN09" at 9490.7,10965.5 h31 r90; DISPLAY_TOP "10XXX09" at 9790.7,10965.5 h31 r90; DISPLAY_TOP "ADI/DML" at 9445.7,10965.5 h31 r90; ASSEMBLY_TOP "UPN" at 9727.5,10965.5 h25 r90; ASSEMBLY_TOP "1" at 9717.5,10965.5 h25 r90; ASSEMBLY_TOP "10K" at 9652.3,10965.5 h25 r90
R203: PIN_NUMBER "2" at 9745.5,10730.5 h25 r180; PIN_NUMBER "1" at 9769.5,10730.5 h25 r180; PAD_STACK_NAME "14X14" at 9659.9,10854.5 h50 r180; PAD_STACK_NAME "R0201" at 9656.5,10633.5 h50 r180; DISPLAY_TOP "QA/XXX" at 9548.1,10730.5 h31 r270; DISPLAY_TOP "26JAN09" at 9795.7,10730.5 h31 r270; DISPLAY_TOP "10XXX09" at 9495.7,10730.5 h31 r270; DISPLAY_TOP "ADI/DML" at 9840.7,10730.5 h31 r270; ASSEMBLY_TOP "UPN" at 9672.5,10730.5 h25 r270; ASSEMBLY_TOP "1" at 9722.5,10730.5 h25 r270; ASSEMBLY_TOP "10K" at 9747.7,10730.5 h25 r270
R204: PIN_NUMBER "2" at 9745.5,10965.5 h25 r180; PIN_NUMBER "1" at 9769.5,10965.5 h25 r180; PAD_STACK_NAME "14X14" at 9659.9,11089.5 h50 r180; PAD_STACK_NAME "R0201" at 9656.5,10868.5 h50 r180; DISPLAY_TOP "QA/XXX" at 9548.1,10965.5 h31 r270; DISPLAY_TOP "26JAN09" at 9795.7,10965.5 h31 r270; DISPLAY_TOP "10XXX09" at 9495.7,10965.5 h31 r270; DISPLAY_TOP "ADI/DML" at 9840.7,10965.5 h31 r270; ASSEMBLY_TOP "UPN" at 9672.5,10965.5 h25 r270; ASSEMBLY_TOP "1" at 9722.5,10965.5 h25 r270; ASSEMBLY_TOP "10K" at 9747.7,10965.5 h25 r270
R205: PIN_NUMBER "2" at 9384.75,11545.5 h25 r180; PIN_NUMBER "1" at 9320.25,11545.5 h25 r180; ASSEMBLY_BOTTOM "237" at 9334.5,11556.5 h25 r180; ASSEMBLY_BOTTOM "1" at 9282.5,11545.5 h25 r90; ASSEMBLY_BOTTOM "UPN" at 9456.5,11546.5 h25 r90; PAD_STACK_NAME "R0603a" at 9237.5,11450.5 h50 r180; PAD_STACK_NAME "38.5x35x26" at 9262.5,11675.5 h25 r180
R206: PIN_NUMBER "1" at 9370.5,9465.5 h25; PIN_NUMBER "2" at 9394.5,9465.5 h25; PAD_STACK_NAME "14X14" at 9300.1,9341.5 h50; PAD_STACK_NAME "R0201" at 9303.5,9562.5 h50; DISPLAY_TOP "QA/XXX" at 9463.1,9465.5 h31 r90; DISPLAY_TOP "26JAN09" at 9190.7,9465.5 h31 r90; DISPLAY_TOP "10XXX09" at 9490.7,9465.5 h31 r90; DISPLAY_TOP "ADI/DML" at 9145.7,9465.5 h31 r90; ASSEMBLY_TOP "UPN" at 9427.5,9465.5 h25 r90; ASSEMBLY_TOP "1" at 9417.5,9465.5 h25 r90; ASSEMBLY_TOP "16K" at 9352.3,9465.5 h25 r90
R211: PIN_NUMBER "2" at 9847.5,11687.5 h25 r90; PIN_NUMBER "1" at 9847.5,11663.5 h25 r90; PAD_STACK_NAME "14X14" at 9881.5,11683.1 h50 r90; PAD_STACK_NAME "R0201" at 9660.5,11686.5 h50 r90; DISPLAY_TOP "QA/XXX" at 9783.1,11820.5 h31 r180; DISPLAY_TOP "26JAN09" at 9770.7,11560.5 h31 r180; DISPLAY_TOP "10XXX09" at 9770.7,11860.5 h31 r180; DISPLAY_TOP "ADI/DML" at 9770.7,11515.5 h31 r180; ASSEMBLY_TOP "UPN" at 9827.5,11740.5 h25 r180; ASSEMBLY_TOP "1" at 9847.5,11710.5 h25 r180; ASSEMBLY_TOP "2K" at 9837.5,11665.3 h25 r180
R212: PIN_NUMBER "2" at 9895,11687.5 h25 r90; PIN_NUMBER "1" at 9895,11663.5 h25 r90; PAD_STACK_NAME "14X14" at 9929,11683.1 h50 r90; PAD_STACK_NAME "R0201" at 9708,11686.5 h50 r90; DISPLAY_TOP "QA/XXX" at 9830.6,11820.5 h31 r180; DISPLAY_TOP "26JAN09" at 9818.2,11560.5 h31 r180; DISPLAY_TOP "10XXX09" at 9818.2,11860.5 h31 r180; DISPLAY_TOP "ADI/DML" at 9818.2,11515.5 h31 r180; ASSEMBLY_TOP "UPN" at 9875,11740.5 h25 r180; ASSEMBLY_TOP "1" at 9895,11710.5 h25 r180; ASSEMBLY_TOP "2K" at 9885,11665.3 h25 r180
R213: PIN_NUMBER "1" at 9170.5,9410.5 h25; PIN_NUMBER "2" at 9194.5,9410.5 h25; PAD_STACK_NAME "14X14" at 9100.1,9286.5 h50; PAD_STACK_NAME "R0201" at 9103.5,9507.5 h50; DISPLAY_TOP "QA/XXX" at 9263.1,9410.5 h31 r90; DISPLAY_TOP "26JAN09" at 8990.7,9410.5 h31 r90; DISPLAY_TOP "10XXX09" at 9290.7,9410.5 h31 r90; DISPLAY_TOP "ADI/DML" at 8945.7,9410.5 h31 r90; ASSEMBLY_TOP "UPN" at 9227.5,9410.5 h25 r90; ASSEMBLY_TOP "1" at 9217.5,9410.5 h25 r90; ASSEMBLY_TOP "10K" at 9152.3,9410.5 h25 r90
R214: PIN_NUMBER "1" at 9170.5,9465.5 h25; PIN_NUMBER "2" at 9194.5,9465.5 h25; PAD_STACK_NAME "14X14" at 9100.1,9341.5 h50; PAD_STACK_NAME "R0201" at 9103.5,9562.5 h50; DISPLAY_TOP "QA/XXX" at 9263.1,9465.5 h31 r90; DISPLAY_TOP "26JAN09" at 8990.7,9465.5 h31 r90; DISPLAY_TOP "10XXX09" at 9290.7,9465.5 h31 r90; DISPLAY_TOP "ADI/DML" at 8945.7,9465.5 h31 r90; ASSEMBLY_TOP "UPN" at 9227.5,9465.5 h25 r90; ASSEMBLY_TOP "1" at 9217.5,9465.5 h25 r90; ASSEMBLY_TOP "16K" at 9152.3,9465.5 h25 r90
R215: PIN_NUMBER "1" at 9370.5,9408 h25; PIN_NUMBER "2" at 9394.5,9408 h25; PAD_STACK_NAME "14X14" at 9300.1,9284 h50; PAD_STACK_NAME "R0201" at 9303.5,9505 h50; DISPLAY_TOP "QA/XXX" at 9463.1,9408 h31 r90; DISPLAY_TOP "26JAN09" at 9190.7,9408 h31 r90; DISPLAY_TOP "10XXX09" at 9490.7,9408 h31 r90; DISPLAY_TOP "ADI/DML" at 9145.7,9408 h31 r90; ASSEMBLY_TOP "UPN" at 9427.5,9408 h25 r90; ASSEMBLY_TOP "1" at 9417.5,9408 h25 r90; ASSEMBLY_TOP "10K" at 9352.3,9408 h25 r90
R217: PIN_NUMBER "1" at 9070.5,9413 h25; PIN_NUMBER "2" at 9094.5,9413 h25; PAD_STACK_NAME "14X14" at 9000.1,9289 h50; PAD_STACK_NAME "R0201" at 9003.5,9510 h50; DISPLAY_TOP "QA/XXX" at 9163.1,9413 h31 r90; DISPLAY_TOP "26JAN09" at 8890.7,9413 h31 r90; DISPLAY_TOP "10XXX09" at 9190.7,9413 h31 r90; DISPLAY_TOP "ADI/DML" at 8845.7,9413 h31 r90; ASSEMBLY_TOP "UPN" at 9127.5,9413 h25 r90; ASSEMBLY_TOP "1" at 9117.5,9413 h25 r90; ASSEMBLY_TOP "10K" at 9052.3,9413 h25 r90